# Altium PCB PCB1.pcbdoc (part 1 of 3) (continued)
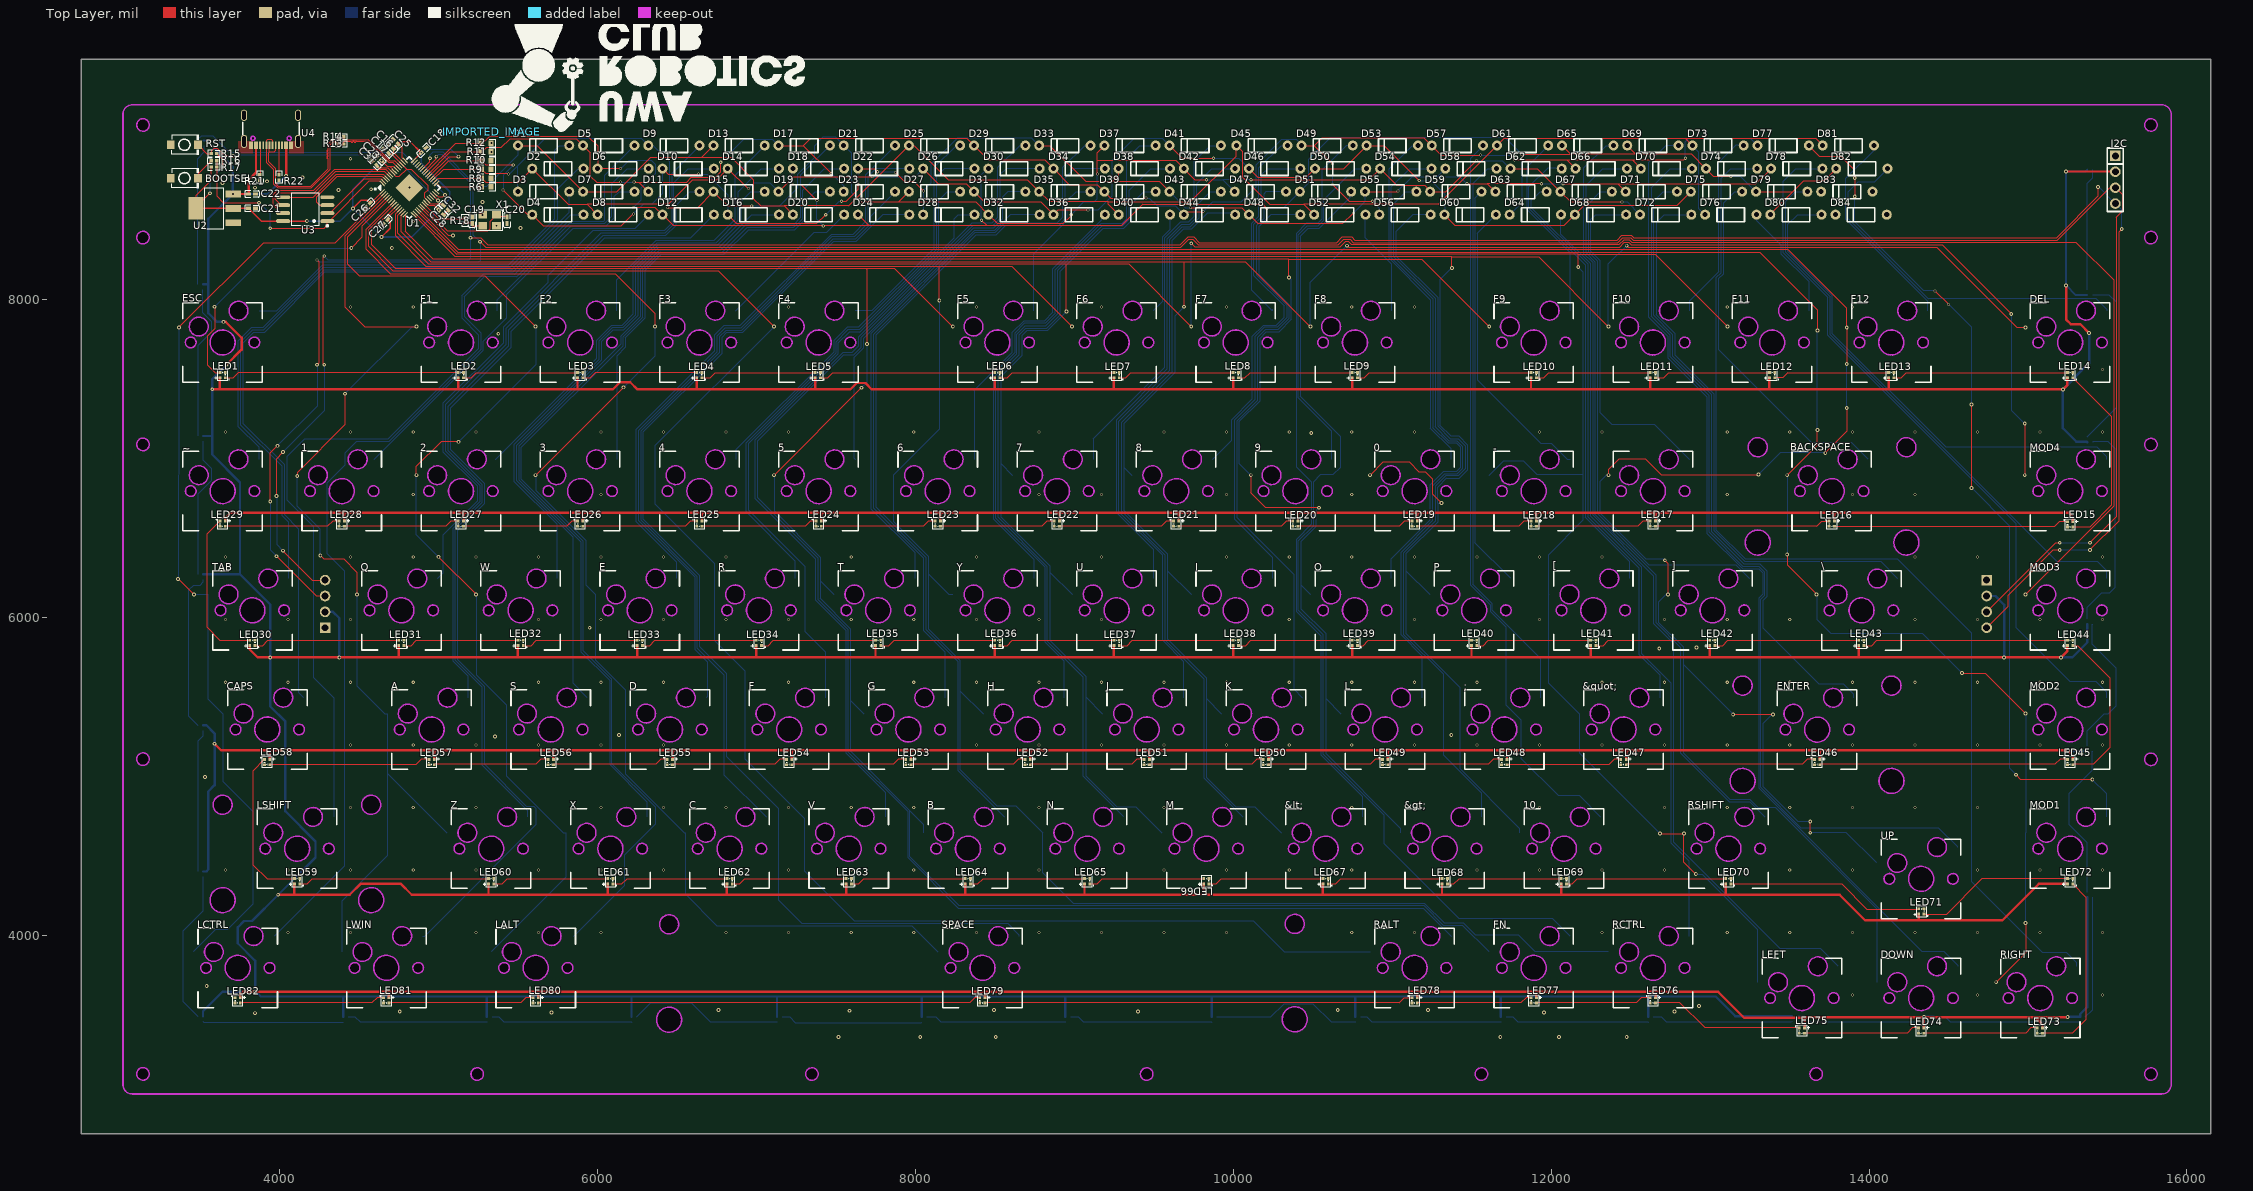
[diagram p0: Top Layer view]
## Components (designator, comment, footprint, x,y, rotation, side; value= is the part's Value field where it differs from the comment) (continued)
D70 "1N4148_C14538" DO-35_BD2.0-L4.2-P8.20-D0.5-RD 12725,8822.79 r0 top
D71 "1N4148_C14538" DO-35_BD2.0-L4.2-P8.20-D0.5-RD 12630,8677.79 r0 top
D72 "1N4148_C14538" DO-35_BD2.0-L4.2-P8.20-D0.5-RD 12720,8532.79 r0 top
D73 "1N4148_C14538" DO-35_BD2.0-L4.2-P8.20-D0.5-RD 13050,8967.79 r0 top
D74 "1N4148_C14538" DO-35_BD2.0-L4.2-P8.20-D0.5-RD 13135,8822.79 r0 top
D75 "1N4148_C14538" DO-35_BD2.0-L4.2-P8.20-D0.5-RD 13040,8677.79 r0 top
D76 "1N4148_C14538" DO-35_BD2.0-L4.2-P8.20-D0.5-RD 13130,8532.79 r0 top
D77 "1N4148_C14538" DO-35_BD2.0-L4.2-P8.20-D0.5-RD 13460,8967.79 r0 top
D78 "1N4148_C14538" DO-35_BD2.0-L4.2-P8.20-D0.5-RD 13545,8822.79 r0 top
D79 "1N4148_C14538" DO-35_BD2.0-L4.2-P8.20-D0.5-RD 13450,8677.79 r0 top
D80 "1N4148_C14538" DO-35_BD2.0-L4.2-P8.20-D0.5-RD 13540,8532.79 r0 top
D81 "1N4148_C14538" DO-35_BD2.0-L4.2-P8.20-D0.5-RD 13870,8967.79 r0 top
D82 "1N4148_C14538" DO-35_BD2.0-L4.2-P8.20-D0.5-RD 13955,8822.79 r0 top
D83 "1N4148_C14538" DO-35_BD2.0-L4.2-P8.20-D0.5-RD 13860,8677.79 r0 top
D84 "1N4148_C14538" DO-35_BD2.0-L4.2-P8.20-D0.5-RD 13950,8532.79 r0 top
DEL "CHERRY-MX-SW-1U" CHERRY-MX-PCB-1U 15265,7728.73 r0 top
DOWN "CHERRY-MX-SW-1U" CHERRY-MX-PCB-1U 14327.58,3603.93 r0 top
E "CHERRY-MX-SW-1U" CHERRY-MX-PCB-1U 6265,6043.73 r0 top
ENTER "CHERRY-MX-SW-1U" CHERRY-MX-PCB-1U 13673.64,5293.3 r0 top
ESC "CHERRY-MX-SW-1U" CHERRY-MX-PCB-1U 3639.8,7729.12 r0 top
F "CHERRY-MX-SW-1U" CHERRY-MX-PCB-1U 7205,5293.73 r0 top
F1 "CHERRY-MX-SW-1U" CHERRY-MX-PCB-1U 5140,7728.73 r0 top
F2 "CHERRY-MX-SW-1U" CHERRY-MX-PCB-1U 5890,7728.73 r0 top
F3 "CHERRY-MX-SW-1U" CHERRY-MX-PCB-1U 6640,7728.73 r0 top
F4 "CHERRY-MX-SW-1U" CHERRY-MX-PCB-1U 7390,7728.73 r0 top
F5 "CHERRY-MX-SW-1U" CHERRY-MX-PCB-1U 8515,7728.73 r0 top
F6 "CHERRY-MX-SW-1U" CHERRY-MX-PCB-1U 9265,7728.73 r0 top
F7 "CHERRY-MX-SW-1U" CHERRY-MX-PCB-1U 10015,7728.73 r0 top
F8 "CHERRY-MX-SW-1U" CHERRY-MX-PCB-1U 10765,7728.73 r0 top
F9 "CHERRY-MX-SW-1U" CHERRY-MX-PCB-1U 11890,7728.73 r0 top
F10 "CHERRY-MX-SW-1U" CHERRY-MX-PCB-1U 12640,7728.73 r0 top
F11 "CHERRY-MX-SW-1U" CHERRY-MX-PCB-1U 13390,7728.73 r0 top
F12 "CHERRY-MX-SW-1U" CHERRY-MX-PCB-1U 14140,7728.73 r0 top
FN "CHERRY-MX-SW-1U" CHERRY-MX-PCB-1U 11890,3793.73 r0 top
G "CHERRY-MX-SW-1U" CHERRY-MX-PCB-1U 7955,5293.73 r0 top
H "CHERRY-MX-SW-1U" CHERRY-MX-PCB-1U 8705,5293.73 r0 top
I "CHERRY-MX-SW-1U" CHERRY-MX-PCB-1U 10015,6043.73 r0 top
I2C "PZ254V-11-04P" HDR-TH_4P-P2.54-V-M 4285,6083.73 r90 bottom
I2C "PZ254V-11-04P" HDR-TH_4P-P2.54-V-M 15550,8752.79 r270 top
I2C "PZ254V-11-04P" HDR-TH_4P-P2.54-V-M 14740,6083.73 r270 bottom
IMPORTED_IMAGE "IMPORTED_IMAGE" IMPORTED_IMAGE 5335,9053.73 r0 top
J "CHERRY-MX-SW-1U" CHERRY-MX-PCB-1U 9455,5293.73 r0 top
K "CHERRY-MX-SW-1U" CHERRY-MX-PCB-1U 10205,5293.73 r0 top
L "CHERRY-MX-SW-1U" CHERRY-MX-PCB-1U 10955,5293.73 r0 top
LALT "CHERRY-MX-SW-1U" CHERRY-MX-PCB-1U 5610.66,3793.69 r0 top
LCTRL "CHERRY-MX-SW-1U" CHERRY-MX-PCB-1U 3735.47,3793.54 r0 top
LED1 "XL-1010RGBC-WS2812B" LED-SMD_4P-L1.0-W1.0-TL_XL-1010RGBC-WS2812B 3640,7523.73 r180 top
LED2 "XL-1010RGBC-WS2812B" LED-SMD_4P-L1.0-W1.0-TL_XL-1010RGBC-WS2812B 5140,7523.73 r180 top
LED3 "XL-1010RGBC-WS2812B" LED-SMD_4P-L1.0-W1.0-TL_XL-1010RGBC-WS2812B 5890,7523.73 r180 top
LED4 "XL-1010RGBC-WS2812B" LED-SMD_4P-L1.0-W1.0-TL_XL-1010RGBC-WS2812B 6640,7523.73 r180 top
LED5 "XL-1010RGBC-WS2812B" LED-SMD_4P-L1.0-W1.0-TL_XL-1010RGBC-WS2812B 7385,7523.73 r180 top
LED6 "XL-1010RGBC-WS2812B" LED-SMD_4P-L1.0-W1.0-TL_XL-1010RGBC-WS2812B 8515,7523.73 r180 top
LED7 "XL-1010RGBC-WS2812B" LED-SMD_4P-L1.0-W1.0-TL_XL-1010RGBC-WS2812B 9265,7523.73 r180 top
LED8 "XL-1010RGBC-WS2812B" LED-SMD_4P-L1.0-W1.0-TL_XL-1010RGBC-WS2812B 10015,7523.73 r180 top
LED9 "XL-1010RGBC-WS2812B" LED-SMD_4P-L1.0-W1.0-TL_XL-1010RGBC-WS2812B 10765,7523.73 r180 top
LED10 "XL-1010RGBC-WS2812B" LED-SMD_4P-L1.0-W1.0-TL_XL-1010RGBC-WS2812B 11890,7523.73 r180 top
LED11 "XL-1010RGBC-WS2812B" LED-SMD_4P-L1.0-W1.0-TL_XL-1010RGBC-WS2812B 12640,7523.73 r180 top
LED12 "XL-1010RGBC-WS2812B" LED-SMD_4P-L1.0-W1.0-TL_XL-1010RGBC-WS2812B 13390,7523.73 r180 top
LED13 "XL-1010RGBC-WS2812B" LED-SMD_4P-L1.0-W1.0-TL_XL-1010RGBC-WS2812B 14140,7523.73 r180 top
LED14 "XL-1010RGBC-WS2812B" LED-SMD_4P-L1.0-W1.0-TL_XL-1010RGBC-WS2812B 15265,7523.73 r180 top
LED15 "XL-1010RGBC-WS2812B" LED-SMD_4P-L1.0-W1.0-TL_XL-1010RGBC-WS2812B 15265,6583.73 r0 top
LED16 "XL-1010RGBC-WS2812B" LED-SMD_4P-L1.0-W1.0-TL_XL-1010RGBC-WS2812B 13765,6588.73 r0 top
LED17 "XL-1010RGBC-WS2812B" LED-SMD_4P-L1.0-W1.0-TL_XL-1010RGBC-WS2812B 12640,6588.73 r0 top
LED18 "XL-1010RGBC-WS2812B" LED-SMD_4P-L1.0-W1.0-TL_XL-1010RGBC-WS2812B 11890,6588.73 r0 top
LED19 "XL-1010RGBC-WS2812B" LED-SMD_4P-L1.0-W1.0-TL_XL-1010RGBC-WS2812B 11140,6588.73 r0 top
LED20 "XL-1010RGBC-WS2812B" LED-SMD_4P-L1.0-W1.0-TL_XL-1010RGBC-WS2812B 10390,6588.73 r0 top
LED21 "XL-1010RGBC-WS2812B" LED-SMD_4P-L1.0-W1.0-TL_XL-1010RGBC-WS2812B 9640,6588.73 r0 top
LED22 "XL-1010RGBC-WS2812B" LED-SMD_4P-L1.0-W1.0-TL_XL-1010RGBC-WS2812B 8890,6588.73 r0 top
LED23 "XL-1010RGBC-WS2812B" LED-SMD_4P-L1.0-W1.0-TL_XL-1010RGBC-WS2812B 8140,6588.73 r0 top
LED24 "XL-1010RGBC-WS2812B" LED-SMD_4P-L1.0-W1.0-TL_XL-1010RGBC-WS2812B 7390,6588.73 r0 top
LED25 "XL-1010RGBC-WS2812B" LED-SMD_4P-L1.0-W1.0-TL_XL-1010RGBC-WS2812B 6640,6588.73 r0 top
LED26 "XL-1010RGBC-WS2812B" LED-SMD_4P-L1.0-W1.0-TL_XL-1010RGBC-WS2812B 5890,6588.73 r0 top
LED27 "XL-1010RGBC-WS2812B" LED-SMD_4P-L1.0-W1.0-TL_XL-1010RGBC-WS2812B 5140,6588.73 r0 top
LED28 "XL-1010RGBC-WS2812B" LED-SMD_4P-L1.0-W1.0-TL_XL-1010RGBC-WS2812B 4390,6588.73 r0 top
LED29 "XL-1010RGBC-WS2812B" LED-SMD_4P-L1.0-W1.0-TL_XL-1010RGBC-WS2812B 3640,6588.73 r0 top
LED30 "XL-1010RGBC-WS2812B" LED-SMD_4P-L1.0-W1.0-TL_XL-1010RGBC-WS2812B 3827.69,5838.73 r180 top
LED31 "XL-1010RGBC-WS2812B" LED-SMD_4P-L1.0-W1.0-TL_XL-1010RGBC-WS2812B 4765,5838.73 r180 top
LED32 "XL-1010RGBC-WS2812B" LED-SMD_4P-L1.0-W1.0-TL_XL-1010RGBC-WS2812B 5515,5838.73 r180 top
LED33 "XL-1010RGBC-WS2812B" LED-SMD_4P-L1.0-W1.0-TL_XL-1010RGBC-WS2812B 6265,5838.73 r180 top
LED34 "XL-1010RGBC-WS2812B" LED-SMD_4P-L1.0-W1.0-TL_XL-1010RGBC-WS2812B 7015,5838.73 r180 top
LED35 "XL-1010RGBC-WS2812B" LED-SMD_4P-L1.0-W1.0-TL_XL-1010RGBC-WS2812B 7765,5838.73 r180 top
LED36 "XL-1010RGBC-WS2812B" LED-SMD_4P-L1.0-W1.0-TL_XL-1010RGBC-WS2812B 8515,5838.73 r180 top
LED37 "XL-1010RGBC-WS2812B" LED-SMD_4P-L1.0-W1.0-TL_XL-1010RGBC-WS2812B 9265,5838.73 r180 top
LED38 "XL-1010RGBC-WS2812B" LED-SMD_4P-L1.0-W1.0-TL_XL-1010RGBC-WS2812B 10015,5838.73 r180 top
LED39 "XL-1010RGBC-WS2812B" LED-SMD_4P-L1.0-W1.0-TL_XL-1010RGBC-WS2812B 10765,5838.73 r180 top
LED40 "XL-1010RGBC-WS2812B" LED-SMD_4P-L1.0-W1.0-TL_XL-1010RGBC-WS2812B 11515,5838.73 r180 top
LED41 "XL-1010RGBC-WS2812B" LED-SMD_4P-L1.0-W1.0-TL_XL-1010RGBC-WS2812B 12265,5838.73 r180 top
LED42 "XL-1010RGBC-WS2812B" LED-SMD_4P-L1.0-W1.0-TL_XL-1010RGBC-WS2812B 13015,5838.73 r180 top
LED43 "XL-1010RGBC-WS2812B" LED-SMD_4P-L1.0-W1.0-TL_XL-1010RGBC-WS2812B 13951.94,5838.73 r180 top
LED44 "XL-1010RGBC-WS2812B" LED-SMD_4P-L1.0-W1.0-TL_XL-1010RGBC-WS2812B 15265,5838.73 r180 top
LED45 "XL-1010RGBC-WS2812B" LED-SMD_4P-L1.0-W1.0-TL_XL-1010RGBC-WS2812B 15265,5088.73 r0 top
LED46 "XL-1010RGBC-WS2812B" LED-SMD_4P-L1.0-W1.0-TL_XL-1010RGBC-WS2812B 13673.68,5088.73 r0 top
LED47 "XL-1010RGBC-WS2812B" LED-SMD_4P-L1.0-W1.0-TL_XL-1010RGBC-WS2812B 12455,5088.73 r0 top
LED48 "XL-1010RGBC-WS2812B" LED-SMD_4P-L1.0-W1.0-TL_XL-1010RGBC-WS2812B 11705,5088.73 r0 top
LED49 "XL-1010RGBC-WS2812B" LED-SMD_4P-L1.0-W1.0-TL_XL-1010RGBC-WS2812B 10955,5088.73 r0 top
LED50 "XL-1010RGBC-WS2812B" LED-SMD_4P-L1.0-W1.0-TL_XL-1010RGBC-WS2812B 10205,5088.73 r0 top
LED51 "XL-1010RGBC-WS2812B" LED-SMD_4P-L1.0-W1.0-TL_XL-1010RGBC-WS2812B 9455,5088.73 r0 top
LED52 "XL-1010RGBC-WS2812B" LED-SMD_4P-L1.0-W1.0-TL_XL-1010RGBC-WS2812B 8705,5088.73 r0 top
LED53 "XL-1010RGBC-WS2812B" LED-SMD_4P-L1.0-W1.0-TL_XL-1010RGBC-WS2812B 7955,5088.73 r0 top
LED54 "XL-1010RGBC-WS2812B" LED-SMD_4P-L1.0-W1.0-TL_XL-1010RGBC-WS2812B 7205,5088.73 r0 top
LED55 "XL-1010RGBC-WS2812B" LED-SMD_4P-L1.0-W1.0-TL_XL-1010RGBC-WS2812B 6455,5088.73 r0 top
LED56 "XL-1010RGBC-WS2812B" LED-SMD_4P-L1.0-W1.0-TL_XL-1010RGBC-WS2812B 5705,5088.73 r0 top
LED57 "XL-1010RGBC-WS2812B" LED-SMD_4P-L1.0-W1.0-TL_XL-1010RGBC-WS2812B 4955,5088.73 r0 top
LED58 "XL-1010RGBC-WS2812B" LED-SMD_4P-L1.0-W1.0-TL_XL-1010RGBC-WS2812B 3920,5088.73 r0 top
LED59 "XL-1010RGBC-WS2812B" LED-SMD_4P-L1.0-W1.0-TL_XL-1010RGBC-WS2812B 4108.68,4338.73 r180 top
LED60 "XL-1010RGBC-WS2812B" LED-SMD_4P-L1.0-W1.0-TL_XL-1010RGBC-WS2812B 5330,4338.73 r180 top
LED61 "XL-1010RGBC-WS2812B" LED-SMD_4P-L1.0-W1.0-TL_XL-1010RGBC-WS2812B 6080,4338.73 r180 top
LED62 "XL-1010RGBC-WS2812B" LED-SMD_4P-L1.0-W1.0-TL_XL-1010RGBC-WS2812B 6830,4338.73 r180 top
LED63 "XL-1010RGBC-WS2812B" LED-SMD_4P-L1.0-W1.0-TL_XL-1010RGBC-WS2812B 7580,4338.73 r180 top
LED64 "XL-1010RGBC-WS2812B" LED-SMD_4P-L1.0-W1.0-TL_XL-1010RGBC-WS2812B 8330,4338.73 r180 top
LED65 "XL-1010RGBC-WS2812B" LED-SMD_4P-L1.0-W1.0-TL_XL-1010RGBC-WS2812B 9080,4338.73 r180 top
LED66 "XL-1010RGBC-WS2812B" LED-SMD_4P-L1.0-W1.0-TL_XL-1010RGBC-WS2812B 9830,4338.73 r180 top
LED67 "XL-1010RGBC-WS2812B" LED-SMD_4P-L1.0-W1.0-TL_XL-1010RGBC-WS2812B 10580,4338.73 r180 top
LED68 "XL-1010RGBC-WS2812B" LED-SMD_4P-L1.0-W1.0-TL_XL-1010RGBC-WS2812B 11330,4338.73 r180 top
LED69 "XL-1010RGBC-WS2812B" LED-SMD_4P-L1.0-W1.0-TL_XL-1010RGBC-WS2812B 12080,4338.73 r180 top
LED70 "XL-1010RGBC-WS2812B" LED-SMD_4P-L1.0-W1.0-TL_XL-1010RGBC-WS2812B 13115,4338.73 r180 top
LED71 "XL-1010RGBC-WS2812B" LED-SMD_4P-L1.0-W1.0-TL_XL-1010RGBC-WS2812B 14330,4148.73 r180 top
LED72 "XL-1010RGBC-WS2812B" LED-SMD_4P-L1.0-W1.0-TL_XL-1010RGBC-WS2812B 15265,4338.73 r180 top
LED73 "XL-1010RGBC-WS2812B" LED-SMD_4P-L1.0-W1.0-TL_XL-1010RGBC-WS2812B 15075,3398.73 r0 top
LED74 "XL-1010RGBC-WS2812B" LED-SMD_4P-L1.0-W1.0-TL_XL-1010RGBC-WS2812B 14327.54,3398.73 r0 top
LED75 "XL-1010RGBC-WS2812B" LED-SMD_4P-L1.0-W1.0-TL_XL-1010RGBC-WS2812B 13577.71,3398.73 r0 top
LED76 "XL-1010RGBC-WS2812B" LED-SMD_4P-L1.0-W1.0-TL_XL-1010RGBC-WS2812B 12640,3588.73 r0 top
LED77 "XL-1010RGBC-WS2812B" LED-SMD_4P-L1.0-W1.0-TL_XL-1010RGBC-WS2812B 11890,3588.73 r0 top
LED78 "XL-1010RGBC-WS2812B" LED-SMD_4P-L1.0-W1.0-TL_XL-1010RGBC-WS2812B 11140,3588.73 r0 top
LED79 "XL-1010RGBC-WS2812B" LED-SMD_4P-L1.0-W1.0-TL_XL-1010RGBC-WS2812B 8421.25,3588.73 r0 top
LED80 "XL-1010RGBC-WS2812B" LED-SMD_4P-L1.0-W1.0-TL_XL-1010RGBC-WS2812B 5610,3588.73 r0 top
LED81 "XL-1010RGBC-WS2812B" LED-SMD_4P-L1.0-W1.0-TL_XL-1010RGBC-WS2812B 4670,3588.73 r0 top
LED82 "XL-1010RGBC-WS2812B" LED-SMD_4P-L1.0-W1.0-TL_XL-1010RGBC-WS2812B 3735,3588.73 r0 top
LED83 "XL-1010RGBC-WS2812B" LED-SMD_4P-L1.0-W1.0-TL_XL-1010RGBC-WS2812B 3505,8982.79 r90 bottom
LED84 "XL-1010RGBC-WS2812B" LED-SMD_4P-L1.0-W1.0-TL_XL-1010RGBC-WS2812B 3500,8078.73 r90 bottom
LED85 "XL-1010RGBC-WS2812B" LED-SMD_4P-L1.0-W1.0-TL_XL-1010RGBC-WS2812B 3500,7123.73 r90 bottom
LED86 "XL-1010RGBC-WS2812B" LED-SMD_4P-L1.0-W1.0-TL_XL-1010RGBC-WS2812B 3500,6253.73 r90 bottom
LED87 "XL-1010RGBC-WS2812B" LED-SMD_4P-L1.0-W1.0-TL_XL-1010RGBC-WS2812B 3500,5303.73 r90 bottom
LED88 "XL-1010RGBC-WS2812B" LED-SMD_4P-L1.0-W1.0-TL_XL-1010RGBC-WS2812B 3500,4383.73 r90 bottom
LED89 "XL-1010RGBC-WS2812B" LED-SMD_4P-L1.0-W1.0-TL_XL-1010RGBC-WS2812B 3500,3473.73 r90 bottom
LED90 "XL-1010RGBC-WS2812B" LED-SMD_4P-L1.0-W1.0-TL_XL-1010RGBC-WS2812B 4415,3468.73 r180 bottom
LED91 "XL-1010RGBC-WS2812B" LED-SMD_4P-L1.0-W1.0-TL_XL-1010RGBC-WS2812B 5320,3468.73 r180 bottom
LED92 "XL-1010RGBC-WS2812B" LED-SMD_4P-L1.0-W1.0-TL_XL-1010RGBC-WS2812B 6230,3468.73 r180 bottom
LED93 "XL-1010RGBC-WS2812B" LED-SMD_4P-L1.0-W1.0-TL_XL-1010RGBC-WS2812B 7145,3468.73 r180 bottom
LED94 "XL-1010RGBC-WS2812B" LED-SMD_4P-L1.0-W1.0-TL_XL-1010RGBC-WS2812B 8055,3468.73 r180 bottom
LED95 "XL-1010RGBC-WS2812B" LED-SMD_4P-L1.0-W1.0-TL_XL-1010RGBC-WS2812B 8960,3468.73 r180 bottom
LED96 "XL-1010RGBC-WS2812B" LED-SMD_4P-L1.0-W1.0-TL_XL-1010RGBC-WS2812B 9880,3468.73 r180 bottom
LED97 "XL-1010RGBC-WS2812B" LED-SMD_4P-L1.0-W1.0-TL_XL-1010RGBC-WS2812B 10785,3468.73 r180 bottom
LED98 "XL-1010RGBC-WS2812B" LED-SMD_4P-L1.0-W1.0-TL_XL-1010RGBC-WS2812B 11700,3468.73 r180 bottom
LED99 "XL-1010RGBC-WS2812B" LED-SMD_4P-L1.0-W1.0-TL_XL-1010RGBC-WS2812B 12626.99,3468.73 r180 bottom
LED100 "XL-1010RGBC-WS2812B" LED-SMD_4P-L1.0-W1.0-TL_XL-1010RGBC-WS2812B 13531.99,3473.73 r180 bottom
LED101 "XL-1010RGBC-WS2812B" LED-SMD_4P-L1.0-W1.0-TL_XL-1010RGBC-WS2812B 14423.01,3468.74 r180 bottom
LED102 "XL-1010RGBC-WS2812B" LED-SMD_4P-L1.0-W1.0-TL_XL-1010RGBC-WS2812B 15345,3468.73 r180 bottom
LED103 "XL-1010RGBC-WS2812B" LED-SMD_4P-L1.0-W1.0-TL_XL-1010RGBC-WS2812B 15390,4253.73 r270 bottom
LED104 "XL-1010RGBC-WS2812B" LED-SMD_4P-L1.0-W1.0-TL_XL-1010RGBC-WS2812B 15390,5173.73 r270 bottom
LED105 "XL-1010RGBC-WS2812B" LED-SMD_4P-L1.0-W1.0-TL_XL-1010RGBC-WS2812B 15390,5973.73 r270 bottom
LED106 "XL-1010RGBC-WS2812B" LED-SMD_4P-L1.0-W1.0-TL_XL-1010RGBC-WS2812B 15390,7118.73 r270 bottom
LED107 "XL-1010RGBC-WS2812B" LED-SMD_4P-L1.0-W1.0-TL_XL-1010RGBC-WS2812B 15390,8043.73 r270 bottom
LED108 "XL-1010RGBC-WS2812B" LED-SMD_4P-L1.0-W1.0-TL_XL-1010RGBC-WS2812B 15390,8833.73 r270 bottom
LEFT "CHERRY-MX-SW-1U" CHERRY-MX-PCB-1U 13577.58,3603.93 r0 top
LSHIFT "CHERRY-MX-SW-1U" CHERRY-MX-PCB-1U 4108.7,4543.69 r0 top
LWIN "CHERRY-MX-SW-1U" CHERRY-MX-PCB-1U 4670.9,3793.69 r0 top
M "CHERRY-MX-SW-1U" CHERRY-MX-PCB-1U 9830,4543.73 r0 top
MOD1 "CHERRY-MX-SW-1U" CHERRY-MX-PCB-1U 15265,4543.73 r0 top
MOD2 "CHERRY-MX-SW-1U" CHERRY-MX-PCB-1U 15265,5293.73 r0 top
MOD3 "CHERRY-MX-SW-1U" CHERRY-MX-PCB-1U 15265,6043.73 r0 top
MOD4 "CHERRY-MX-SW-1U" CHERRY-MX-PCB-1U 15265,6793.73 r0 top
N "CHERRY-MX-SW-1U" CHERRY-MX-PCB-1U 9080,4543.73 r0 top
O "CHERRY-MX-SW-1U" CHERRY-MX-PCB-1U 10765,6043.73 r0 top
P "CHERRY-MX-SW-1U" CHERRY-MX-PCB-1U 11515,6043.73 r0 top
Q "CHERRY-MX-SW-1U" CHERRY-MX-PCB-1U 4765,6043.73 r0 top
R "CHERRY-MX-SW-1U" CHERRY-MX-PCB-1U 7015,6043.73 r0 top
R6 "RC0603FR-0710KL" R0603 5300,8707.79 r180 top
R8 "RC0603FR-0710KL" R0603 5300,8762.79 r180 top
R9 "RC0603FR-0710KL" R0603 5300,8817.79 r180 top
R10 "RC0603FR-0710KL" R0603 5300,8872.79 r180 top
R11 "RC0603FR-0710KL" R0603 5300,8927.79 r180 top
R12 "RC0603FR-0710KL" R0603 5300,8982.79 r180 top
R13 "0402WGF220JTCE" R0402 4385,8977.79 r180 top
R14 "0402WGF220JTCE" R0402 4385,9022.79 r180 top
R15 "0402WGF1001TCE" R0402 3585,8917.79 r180 top
R16 "0402WGF1001TCE" R0402 3585,8872.79 r0 top
R17 "0402WGF1002TCE" R0402 3585,8832.79 r180 top
R18 "0402WGF1001TCE" R0402 5165,8497.79 r270 top
R21 "0402WGF5101TCE" R0402 3875,8767.79 r90 top
R22 "0402WGF5101TCE" R0402 3995,8767.79 r90 top
RALT "CHERRY-MX-SW-1U" CHERRY-MX-PCB-1U 11140,3793.73 r0 top
RCTRL "CHERRY-MX-SW-1U" CHERRY-MX-PCB-1U 12640,3793.73 r0 top
RIGHT "CHERRY-MX-SW-1U" CHERRY-MX-PCB-1U 15077.57,3603.93 r0 top
RSHIFT "CHERRY-MX-SW-1U" CHERRY-MX-PCB-1U 13115,4543.73 r0 top
RST "TS-1088-AR02016" SW-SMD_L3.9-W3.0-P4.45 3400,8972.79 r0 top
S "CHERRY-MX-SW-1U" CHERRY-MX-PCB-1U 5705,5293.73 r0 top
SPACE "CHERRY-MX-SW-1U" CHERRY-MX-PCB-1U 8421.29,3793.69 r0 top
SW1 "SW-5" SW-SMD_KAILH-SOCKET_C9900019772 3896.5,5443.73 r0 bottom
SW2 "SW-5" SW-SMD_KAILH-SOCKET_C9900019772 3615,7878.73 r0 bottom
SW3 "SW-5" SW-SMD_KAILH-SOCKET_C9900019772 5115,7878.73 r0 bottom
SW4 "SW-5" SW-SMD_KAILH-SOCKET_C9900019772 5865,7878.73 r0 bottom
SW5 "SW-5" SW-SMD_KAILH-SOCKET_C9900019772 6615,7878.73 r0 bottom
SW6 "SW-5" SW-SMD_KAILH-SOCKET_C9900019772 7365,7878.73 r0 bottom
SW7 "SW-5" SW-SMD_KAILH-SOCKET_C9900019772 8490,7878.73 r0 bottom
SW8 "SW-5" SW-SMD_KAILH-SOCKET_C9900019772 9240,7878.73 r0 bottom
SW9 "SW-5" SW-SMD_KAILH-SOCKET_C9900019772 9990,7878.73 r0 bottom
SW10 "SW-5" SW-SMD_KAILH-SOCKET_C9900019772 10740,7878.73 r0 bottom
SW11 "SW-5" SW-SMD_KAILH-SOCKET_C9900019772 11865,7878.73 r0 bottom
SW12 "SW-5" SW-SMD_KAILH-SOCKET_C9900019772 12615,7878.73 r0 bottom
SW13 "SW-5" SW-SMD_KAILH-SOCKET_C9900019772 13365,7878.73 r0 bottom
SW14 "SW-5" SW-SMD_KAILH-SOCKET_C9900019772 14115,7878.73 r0 bottom
SW15 "SW-5" SW-SMD_KAILH-SOCKET_C9900019772 3615,6943.73 r0 bottom
SW16 "SW-5" SW-SMD_KAILH-SOCKET_C9900019772 4365,6943.73 r0 bottom
SW17 "SW-5" SW-SMD_KAILH-SOCKET_C9900019772 5115,6943.73 r0 bottom
SW18 "SW-5" SW-SMD_KAILH-SOCKET_C9900019772 5865,6943.73 r0 bottom
SW19 "SW-5" SW-SMD_KAILH-SOCKET_C9900019772 6615,6943.73 r0 bottom
SW20 "SW-5" SW-SMD_KAILH-SOCKET_C9900019772 7365,6943.73 r0 bottom
SW21 "SW-5" SW-SMD_KAILH-SOCKET_C9900019772 8115,6943.73 r0 bottom
SW22 "SW-5" SW-SMD_KAILH-SOCKET_C9900019772 8865,6943.73 r0 bottom
SW23 "SW-5" SW-SMD_KAILH-SOCKET_C9900019772 9615,6943.73 r0 bottom
SW24 "SW-5" SW-SMD_KAILH-SOCKET_C9900019772 10365,6943.73 r0 bottom
SW25 "SW-5" SW-SMD_KAILH-SOCKET_C9900019772 11115,6943.73 r0 bottom
SW26 "SW-5" SW-SMD_KAILH-SOCKET_C9900019772 11865,6943.73 r0 bottom
SW27 "SW-5" SW-SMD_KAILH-SOCKET_C9900019772 12615,6943.73 r0 bottom
SW28 "SW-5" SW-SMD_KAILH-SOCKET_C9900019772 13740,6943.73 r0 bottom
SW29 "SW-5" SW-SMD_KAILH-SOCKET_C9900019772 3802.4,6193.73 r0 bottom
SW30 "SW-5" SW-SMD_KAILH-SOCKET_C9900019772 4740,6193.73 r0 bottom
SW31 "SW-5" SW-SMD_KAILH-SOCKET_C9900019772 5490,6193.73 r0 bottom
SW32 "SW-5" SW-SMD_KAILH-SOCKET_C9900019772 6240,6193.73 r0 bottom
SW33 "SW-5" SW-SMD_KAILH-SOCKET_C9900019772 6990,6193.73 r0 bottom
SW34 "SW-5" SW-SMD_KAILH-SOCKET_C9900019772 7740,6193.73 r0 bottom
SW35 "SW-5" SW-SMD_KAILH-SOCKET_C9900019772 8490,6193.73 r0 bottom
SW36 "SW-5" SW-SMD_KAILH-SOCKET_C9900019772 9240,6193.73 r0 bottom
SW37 "SW-5" SW-SMD_KAILH-SOCKET_C9900019772 9990,6193.73 r0 bottom
SW38 "SW-5" SW-SMD_KAILH-SOCKET_C9900019772 10740,6193.73 r0 bottom
SW39 "SW-5" SW-SMD_KAILH-SOCKET_C9900019772 11490,6193.73 r0 bottom
SW40 "SW-5" SW-SMD_KAILH-SOCKET_C9900019772 12240,6193.73 r0 bottom
SW41 "SW-5" SW-SMD_KAILH-SOCKET_C9900019772 12990,6193.73 r0 bottom
SW42 "SW-5" SW-SMD_KAILH-SOCKET_C9900019772 13927.2,6193.3 r0 bottom
SW43 "SW-5" SW-SMD_KAILH-SOCKET_C9900019772 4930,5443.73 r0 bottom
SW44 "SW-5" SW-SMD_KAILH-SOCKET_C9900019772 5680,5443.73 r0 bottom
SW45 "SW-5" SW-SMD_KAILH-SOCKET_C9900019772 6430,5443.73 r0 bottom
SW46 "SW-5" SW-SMD_KAILH-SOCKET_C9900019772 7180,5443.73 r0 bottom
SW47 "SW-5" SW-SMD_KAILH-SOCKET_C9900019772 7930,5443.73 r0 bottom
SW48 "SW-5" SW-SMD_KAILH-SOCKET_C9900019772 8680,5443.73 r0 bottom
SW49 "SW-5" SW-SMD_KAILH-SOCKET_C9900019772 9430,5443.73 r0 bottom
SW50 "SW-5" SW-SMD_KAILH-SOCKET_C9900019772 10180,5443.73 r0 bottom
SW51 "SW-5" SW-SMD_KAILH-SOCKET_C9900019772 10930,5443.73 r0 bottom
SW52 "SW-5" SW-SMD_KAILH-SOCKET_C9900019772 11680,5443.73 r0 bottom
SW53 "SW-5" SW-SMD_KAILH-SOCKET_C9900019772 12430,5443.73 r0 bottom
SW54 "SW-5" SW-SMD_KAILH-SOCKET_C9900019772 13648.53,5443 r0 bottom
SW55 "SW-5" SW-SMD_KAILH-SOCKET_C9900019772 15240,5443.73 r0 bottom
SW56 "SW-5" SW-SMD_KAILH-SOCKET_C9900019772 4083.66,4693.73 r0 bottom
SW57 "SW-5" SW-SMD_KAILH-SOCKET_C9900019772 5305,4693.73 r0 bottom
SW58 "SW-5" SW-SMD_KAILH-SOCKET_C9900019772 6055,4693.73 r0 bottom
SW59 "SW-5" SW-SMD_KAILH-SOCKET_C9900019772 6805,4693.73 r0 bottom
SW60 "SW-5" SW-SMD_KAILH-SOCKET_C9900019772 7555,4693.73 r0 bottom
SW61 "SW-5" SW-SMD_KAILH-SOCKET_C9900019772 8305,4693.73 r0 bottom
SW62 "SW-5" SW-SMD_KAILH-SOCKET_C9900019772 9055,4693.73 r0 bottom
SW63 "SW-5" SW-SMD_KAILH-SOCKET_C9900019772 9805,4693.73 r0 bottom
SW64 "SW-5" SW-SMD_KAILH-SOCKET_C9900019772 10555,4693.73 r0 bottom
SW65 "SW-5" SW-SMD_KAILH-SOCKET_C9900019772 11305,4693.73 r0 bottom
SW66 "SW-5" SW-SMD_KAILH-SOCKET_C9900019772 12055,4693.73 r0 bottom
SW67 "SW-5" SW-SMD_KAILH-SOCKET_C9900019772 13090,4693.73 r0 bottom
SW68 "SW-5" SW-SMD_KAILH-SOCKET_C9900019772 14302.56,4503.73 r0 bottom
SW69 "SW-5" SW-SMD_KAILH-SOCKET_C9900019772 15240,4693.73 r0 bottom
SW70 "SW-5" SW-SMD_KAILH-SOCKET_C9900019772 3710,3943.73 r0 bottom
SW71 "SW-5" SW-SMD_KAILH-SOCKET_C9900019772 4645,3943.73 r0 bottom
SW72 "SW-5" SW-SMD_KAILH-SOCKET_C9900019772 5585,3943.73 r0 bottom
SW73 "SW-5" SW-SMD_KAILH-SOCKET_C9900019772 8396.2,3943.73 r0 bottom
SW74 "SW-5" SW-SMD_KAILH-SOCKET_C9900019772 11115,3943.73 r0 bottom
SW75 "SW-5" SW-SMD_KAILH-SOCKET_C9900019772 11865,3943.73 r0 bottom
SW76 "SW-5" SW-SMD_KAILH-SOCKET_C9900019772 12615,3943.73 r0 bottom
SW77 "SW-5" SW-SMD_KAILH-SOCKET_C9900019772 15240,6193.73 r0 bottom
SW78 "SW-5" SW-SMD_KAILH-SOCKET_C9900019772 15240,6943.73 r0 bottom
SW79 "SW-5" SW-SMD_KAILH-SOCKET_C9900019772 15240,7878.73 r0 bottom
SW80 "SW-5" SW-SMD_KAILH-SOCKET_C9900019772 14302.39,3753.73 r0 bottom
SW81 "SW-5" SW-SMD_KAILH-SOCKET_C9900019772 15052.31,3753.73 r0 bottom
SW82 "SW-5" SW-SMD_KAILH-SOCKET_C9900019772 13552.31,3753.73 r0 bottom
T "CHERRY-MX-SW-1U" CHERRY-MX-PCB-1U 7765,6043.73 r0 top
TAB "CHERRY-MX-SW-1U" CHERRY-MX-PCB-1U 3827.6,6043.69 r0 top
U "CHERRY-MX-SW-1U" CHERRY-MX-PCB-1U 9265,6043.73 r0 top
U1 "RP2040_C2040" LQFN-56_L7.0-W7.0-P0.4-EP 4815,8702.79 r45 top
U2 "AMS1117-3.3_C6186" SOT-223-3_L6.5-W3.4-P2.30-LS7.0-BR 3590,8572.79 r0 top
U3 "W25Q128JVSIQ" SOIC-8_L5.3-W5.3-P1.27-LS8.0-BL 4160,8567.79 r90 top
U4 "GT-USB-7010ASV" USB-C-SMD_G-SWITCH_GT-USB-7010ASV 3945,9063.73 r180 top
UP "CHERRY-MX-SW-1U" CHERRY-MX-PCB-1U 14327.58,4353.93 r0 top
V "CHERRY-MX-SW-1U" CHERRY-MX-PCB-1U 7580,4543.73 r0 top
W "CHERRY-MX-SW-1U" CHERRY-MX-PCB-1U 5515,6043.73 r0 top
X "CHERRY-MX-SW-1U" CHERRY-MX-PCB-1U 6080,4543.73 r0 top
X1 "X322512MSB4SI" OSC-SMD_4P-L3.2-W2.5-BL 5320,8497.79 r180 top
Y "CHERRY-MX-SW-1U" CHERRY-MX-PCB-1U 8515,6043.73 r0 top
Z "CHERRY-MX-SW-1U" CHERRY-MX-PCB-1U 5330,4543.73 r0 top
~ "CHERRY-MX-SW-1U" CHERRY-MX-PCB-1U 3640,6793.73 r0 top
? "CHERRY-MX-SW-1U" CHERRY-MX-PCB-1U 12640,6793.73 r0 top

## Footprints (in the part's own frame and the unit in brackets; to place one, negate y for a bottom-side part, rotate by r counter-clockwise, add the part's x,y. Pads: shape width x height; smd on the part's side, far side on the other; paste and mask are expansions set on the pad)
C0402 [mm]
  rect 0.79x0.54 smd: 1(-0.545,0) 2(0.545,0)
  silkscreen extent -1.17,-0.5 1.17,0.5
CHERRY-MX-PCB-1U [mil]
  Board Outline Layer circle w1: c-200,0 r33.5
  Board Outline Layer circle w1: c200,0 r33.5
  Board Outline Layer circle w10: c-200,0 r33.5
  Board Outline Layer circle w10: c200,0 r33.5
  Multi-Layer board cut-out: -166.5,0 -169.82,14.53 -179.11,26.19 -192.55,32.66 -207.46,32.66 -220.89,26.19 -230.18,14.53 -233.5,0 -233.5,0 -230.18,-14.54 -220.89,-26.19 -207.45,-32.66 -192.54,-32.66 -179.11,-26.19 -169.82,-14.54 -166.5,0
  Multi-Layer board cut-out: 233.5,0 230.18,14.53 220.89,26.19 207.45,32.66 192.54,32.66 179.11,26.19 169.82,14.53 166.5,0 166.5,0 169.82,-14.54 179.11,-26.19 192.55,-32.66 207.46,-32.66 220.89,-26.19 230.18,-14.54 233.5,0
  silkscreen extent -250,-250 250,250
DO-35_BD2.0-L4.2-P8.20-D0.5-RD [mm]
  round 1.6 hole 0.8: 1(-4.1,0) 2(4.1,0)
  silkscreen extent -2.2,-1.1 2.2,1.1
HDR-TH_4P-P2.54-V-M [mm]
  rect 1.7x1.7 hole 1.1: 1(-3.81,0)
  round 1.7 hole 1.1: 2(-1.27,0) 3(1.27,0) 4(3.81,0)
  silkscreen extent -5.08,-1.27 5.08,1.27
IMPORTED_IMAGE [mil]
  silkscreen extent 0,0 1968,760
LED-SMD_4P-L1.0-W1.0-TL_XL-1010RGBC-WS2812B [mm]
  rect 0.45x0.45 smd: 1(-0.425,0.425) 2(0.425,0.425) 3(-0.425,-0.425) 4(0.425,-0.425)
  silkscreen extent -1.05,-0.85 1.27,0.85
LQFN-56_L7.0-W7.0-P0.4-EP [mm]
  rect 1.1x0.2 smd: 1(-3.55,2.6) 2(-3.55,2.2) 3(-3.55,1.8) 4(-3.55,1.4) 5(-3.55,1) 6(-3.55,0.6) 7(-3.55,0.2) 8(-3.55,-0.2) 9(-3.55,-0.6) 10(-3.55,-1) 11(-3.55,-1.4) 12(-3.55,-1.8) 13(-3.55,-2.2) 14(-3.55,-2.6) 29(3.55,-2.6) 30(3.55,-2.2) 31(3.55,-1.8) 32(3.55,-1.4) 33(3.55,-1) 34(3.55,-0.6) 35(3.55,-0.2) 36(3.55,0.2) 37(3.55,0.6) 38(3.55,1) 39(3.55,1.4) 40(3.55,1.8) 41(3.55,2.2) 42(3.55,2.6)
  rect 0.2x1.1 smd: 15(-2.6,-3.55) 16(-2.2,-3.55) 17(-1.8,-3.55) 18(-1.4,-3.55) 19(-1,-3.55) 20(-0.6,-3.55) 21(-0.2,-3.55) 22(0.2,-3.55) 23(0.6,-3.55) 24(1,-3.55) 25(1.4,-3.55) 26(1.8,-3.55) 27(2.2,-3.55) 28(2.6,-3.55) 43(2.6,3.55) 44(2.2,3.55) 45(1.8,3.55) 46(1.4,3.55) 47(1,3.55) 48(0.6,3.55) 49(0.2,3.55) 50(-0.2,3.55) 51(-0.6,3.55) 52(-1,3.55) 53(-1.4,3.55) 54(-1.8,3.55) 55(-2.2,3.55) 56(-2.6,3.55)
  rect 3.1x3.1 smd: 57(0,0)
  silkscreen extent -4.13,-3.5 3.5,3.83
OSC-SMD_4P-L3.2-W2.5-BL [mm]
  rect 1.4x1.2 smd: 1(-1.1,-0.875) 2(1.1,-0.875) 3(1.1,0.875) 4(-1.1,0.875)
  silkscreen extent -2.29,-1.9 2.03,1.65
R0402 [mm]
  rect 0.566x0.54 smd: 1(-0.433,0) 2(0.433,0)
  silkscreen extent -0.94,-0.5 0.94,0.5
R0603 [mil]
  rect 31.75x34.02 smd: 1(-29.66,0) 2(29.66,0)
  silkscreen extent -55,-26 55,26
SOIC-8_L5.3-W5.3-P1.27-LS8.0-BL [mm]
  oval 0.63x2.25 smd: 1(-1.905,-3.53) 2(-0.635,-3.53) 3(0.635,-3.53) 4(1.905,-3.53) 5(1.905,3.53) 6(0.635,3.53) 7(-0.635,3.53) 8(-1.905,3.53)
  silkscreen extent -2.82,-3.68 2.64,2.18
SOT-223-3_L6.5-W3.4-P2.30-LS7.0-BR [mm]
  rect 2.5x1.1 smd: 1(2.97,-2.3) 2(2.97,0) 3(2.97,2.3)
  rect 2.34x3.6 smd: 4(-2.97,0)
  silkscreen extent -1.57,-3.33 1.37,3.33
SW-SMD_KAILH-SOCKET_C9900019772 [mm]
  rect 1.95x2.4 smd: 1(-6.475,1.27) 2(6.475,-1.27)
  Board Outline Layer circle w0.005: c0.64,3.81 r2
  Board Outline Layer circle w0.005: c-3.17,1.27 r1.5
  Board Outline Layer circle w0.005: c3.18,-1.27 r1.5
  Board Outline Layer circle w0.254: c0.64,3.81 r2
  Board Outline Layer circle w0.254: c-3.17,1.27 r1.5
  Board Outline Layer circle w0.254: c3.18,-1.27 r1.5
  Multi-Layer board cut-out: 2.64,3.81 2.367,2.816 1.636,2.09 0.64,1.824 -0.356,2.09 -1.087,2.816 -1.36,3.81 -1.36,3.81 -1.087,4.804 -0.356,5.53 0.64,5.796 1.636,5.53 2.367,4.804 2.64,3.81
  Multi-Layer board cut-out: -1.67,1.27 -1.818,0.619 -2.235,0.097 -2.836,-0.192 -3.504,-0.192 -4.105,0.097 -4.521,0.619 -4.67,1.27 -4.67,1.27 -4.521,1.921 -4.105,2.443 -3.504,2.732 -2.836,2.732 -2.235,2.443 -1.818,1.921 -1.67,1.27
  Multi-Layer board cut-out: 4.68,-1.27 4.532,-1.921 4.115,-2.443 3.514,-2.732 2.846,-2.732 2.245,-2.443 1.829,-1.921 1.68,-1.27 1.68,-1.27 1.829,-0.619 2.245,-0.097 2.846,0.192 3.514,0.192 4.115,-0.097 4.532,-0.619 4.68,-1.27
  silkscreen extent -5.45,-2.95 5.45,2.95
SW-SMD_L3.9-W3.0-P4.45 [mm]
  rect 1.23x1.36 smd: 1(-2.185,0) 2(2.185,0)
  silkscreen extent -2.03,-1.62 2.25,1.62
USB-C-SMD_G-SWITCH_GT-USB-7010ASV [mm]
  oval 1x2.1 hole 0.6 slot 1.7 at 90 deg: 1(-4.32,1.78) 2(4.32,1.78)
  oval 1x1.8 hole 0.6 slot 1.4 at 90 deg: 3(4.32,-2.4) 4(-4.32,-2.4)
  rect 0.6x1.24 smd: A1B12(-3.2,2.4) A4B9(-2.4,2.4) B1A12(3.2,2.4) B4A9(2.4,2.4)
  rect 0.3x1.24 smd: A5(-1.25,2.4) A6(-0.25,2.4) A7(0.25,2.4) A8(1.25,2.4) B5(1.75,2.4) B6(0.75,2.4) B7(-0.75,2.4) B8(-1.75,2.4)
  Board Outline Layer circle w0.025: c2.89,1.28 r0.325
  Board Outline Layer circle w0.025: c-2.9,1.28 r0.325
  Board Outline Layer circle w0.254: c2.89,1.28 r0.325
  Board Outline Layer circle w0.254: c-2.9,1.28 r0.325
  Multi-Layer board cut-out: 2.565,1.28 2.61,1.12 2.729,1.004 2.89,0.961 3.051,1.004 3.169,1.12 3.215,1.28 3.215,1.28 3.169,1.44 3.051,1.557 2.89,1.599 2.729,1.557 2.61,1.44 2.565,1.28
  Multi-Layer board cut-out: -3.225,1.28 -3.179,1.12 -3.061,1.004 -2.9,0.961 -2.739,1.004 -2.62,1.12 -2.575,1.28 -2.575,1.28 -2.621,1.44 -2.739,1.557 -2.9,1.599 -3.061,1.557 -3.18,1.44 -3.225,1.28
  silkscreen extent -4.5,-1.32 4.5,0.69

## Via types
v1: diameter 19.68, hole 11.81, Top Layer to Bottom Layer, 279 vias
v2: diameter 24.02, hole 12.01, Top Layer to Bottom Layer, 172 vias
v3: diameter 24.02, hole 11.81, Top Layer to Bottom Layer, 1 vias

## Nets (pads, with @x,y where several pads share a name; then routed paths per layer and width w, separated by ;. In a path a pad name is that pad's centre, name@x,y a point inside that pad or via, vN(x,y) a via of type N, cw(c..) or ccw(c..) an arc to the next point about the centre after c; other vN are vias at no path point)
$1N10159: BOOTSEL.2 R16.1 | length 143.9
  Top Layer w5: BOOTSEL.2@3486.02,8762.79 3486.02,8790.85 R16.1@3567.96,8872.79
$1N11124: C19.1 R18.2 X1.3 | length 126.5
  Top Layer w5: R18.2@5165,8480.75 5205.58,8480.75 C19.1@5210,8476.33 5210,8463.34 X1.3@5276.69,8463.34
$1N13307: R13.1 U1.47 | length 440.6
  Top Layer w5: R13.1@4402.04,8977.79 4402.04,8989.83 4407.01,8994.8 4445,8994.8 cw(c4445,8991.29) 4448.5,8991.29 ccw(c4452.01,8991.29) 4452.01,8987.79 4455,8987.79 ccw(c4455,8991.29) 4458.5,8991.29 cw(c4462.01,8991.29) 4462.01,8994.8 4465,8994.8 cw(c4465,8991.29) 4468.5,8991.29 ccw(c4472.01,8991.29) 4472.01,8987.79 4475,8987.79 ccw(c4475,8991.29) 4478.5,8991.29 cw(c4482.01,8991.29) 4482.01,8994.8 4552.99,8994.8 4685.98,8861.8 4711.66,8861.8 U1.47@4744.01,8829.45
$1N13351: R14.1 U1.46 | length 435.6
  Top Layer w5: R14.1@4402.04,9022.79 4402.04,9010.75 4407.01,9005.78 4557.54,9005.78 4690.53,8872.79 4722.95,8872.79 U1.46@4755.15,8840.59
$1N33370: R15.2 RST.2 U1.26 | length 1734.7
  Top Layer w5: RST.2@3486.02,8972.79 3541.02,8917.79 R15.2@3567.96,8917.79 3570,8919.83 3570,8932.79 3585,8947.79 3610,8947.79 3655,8902.79 v2(3705,8902.79) ; U1.26@4963.94,8654.06 4995,8623 v2(4995,8622.79)
  Bottom Layer w5: v2(3705,8902.79) 3725,8902.79 3730,8907.79 4710,8907.79 v2(4995,8622.79)
$1N279591: R22.2 U4.A5 | length 183.6
  Top Layer w5: R22.2@3994.21,8785.62 U4.A5@3994.21,8969.24